# Altium PCB Evaluation Board.PcbDoc (part 15 of 22)
Units mm, origin at the board's own origin, x right, y up, seen from the top; angles counter-clockwise.
Board outline 200 x 200 mm, 4 copper layers (Top Layer, GND, Power, Bottom Layer), stack 1.56 mm thick; 639 components, 758 nets, 3043 pads, 1306 vias.
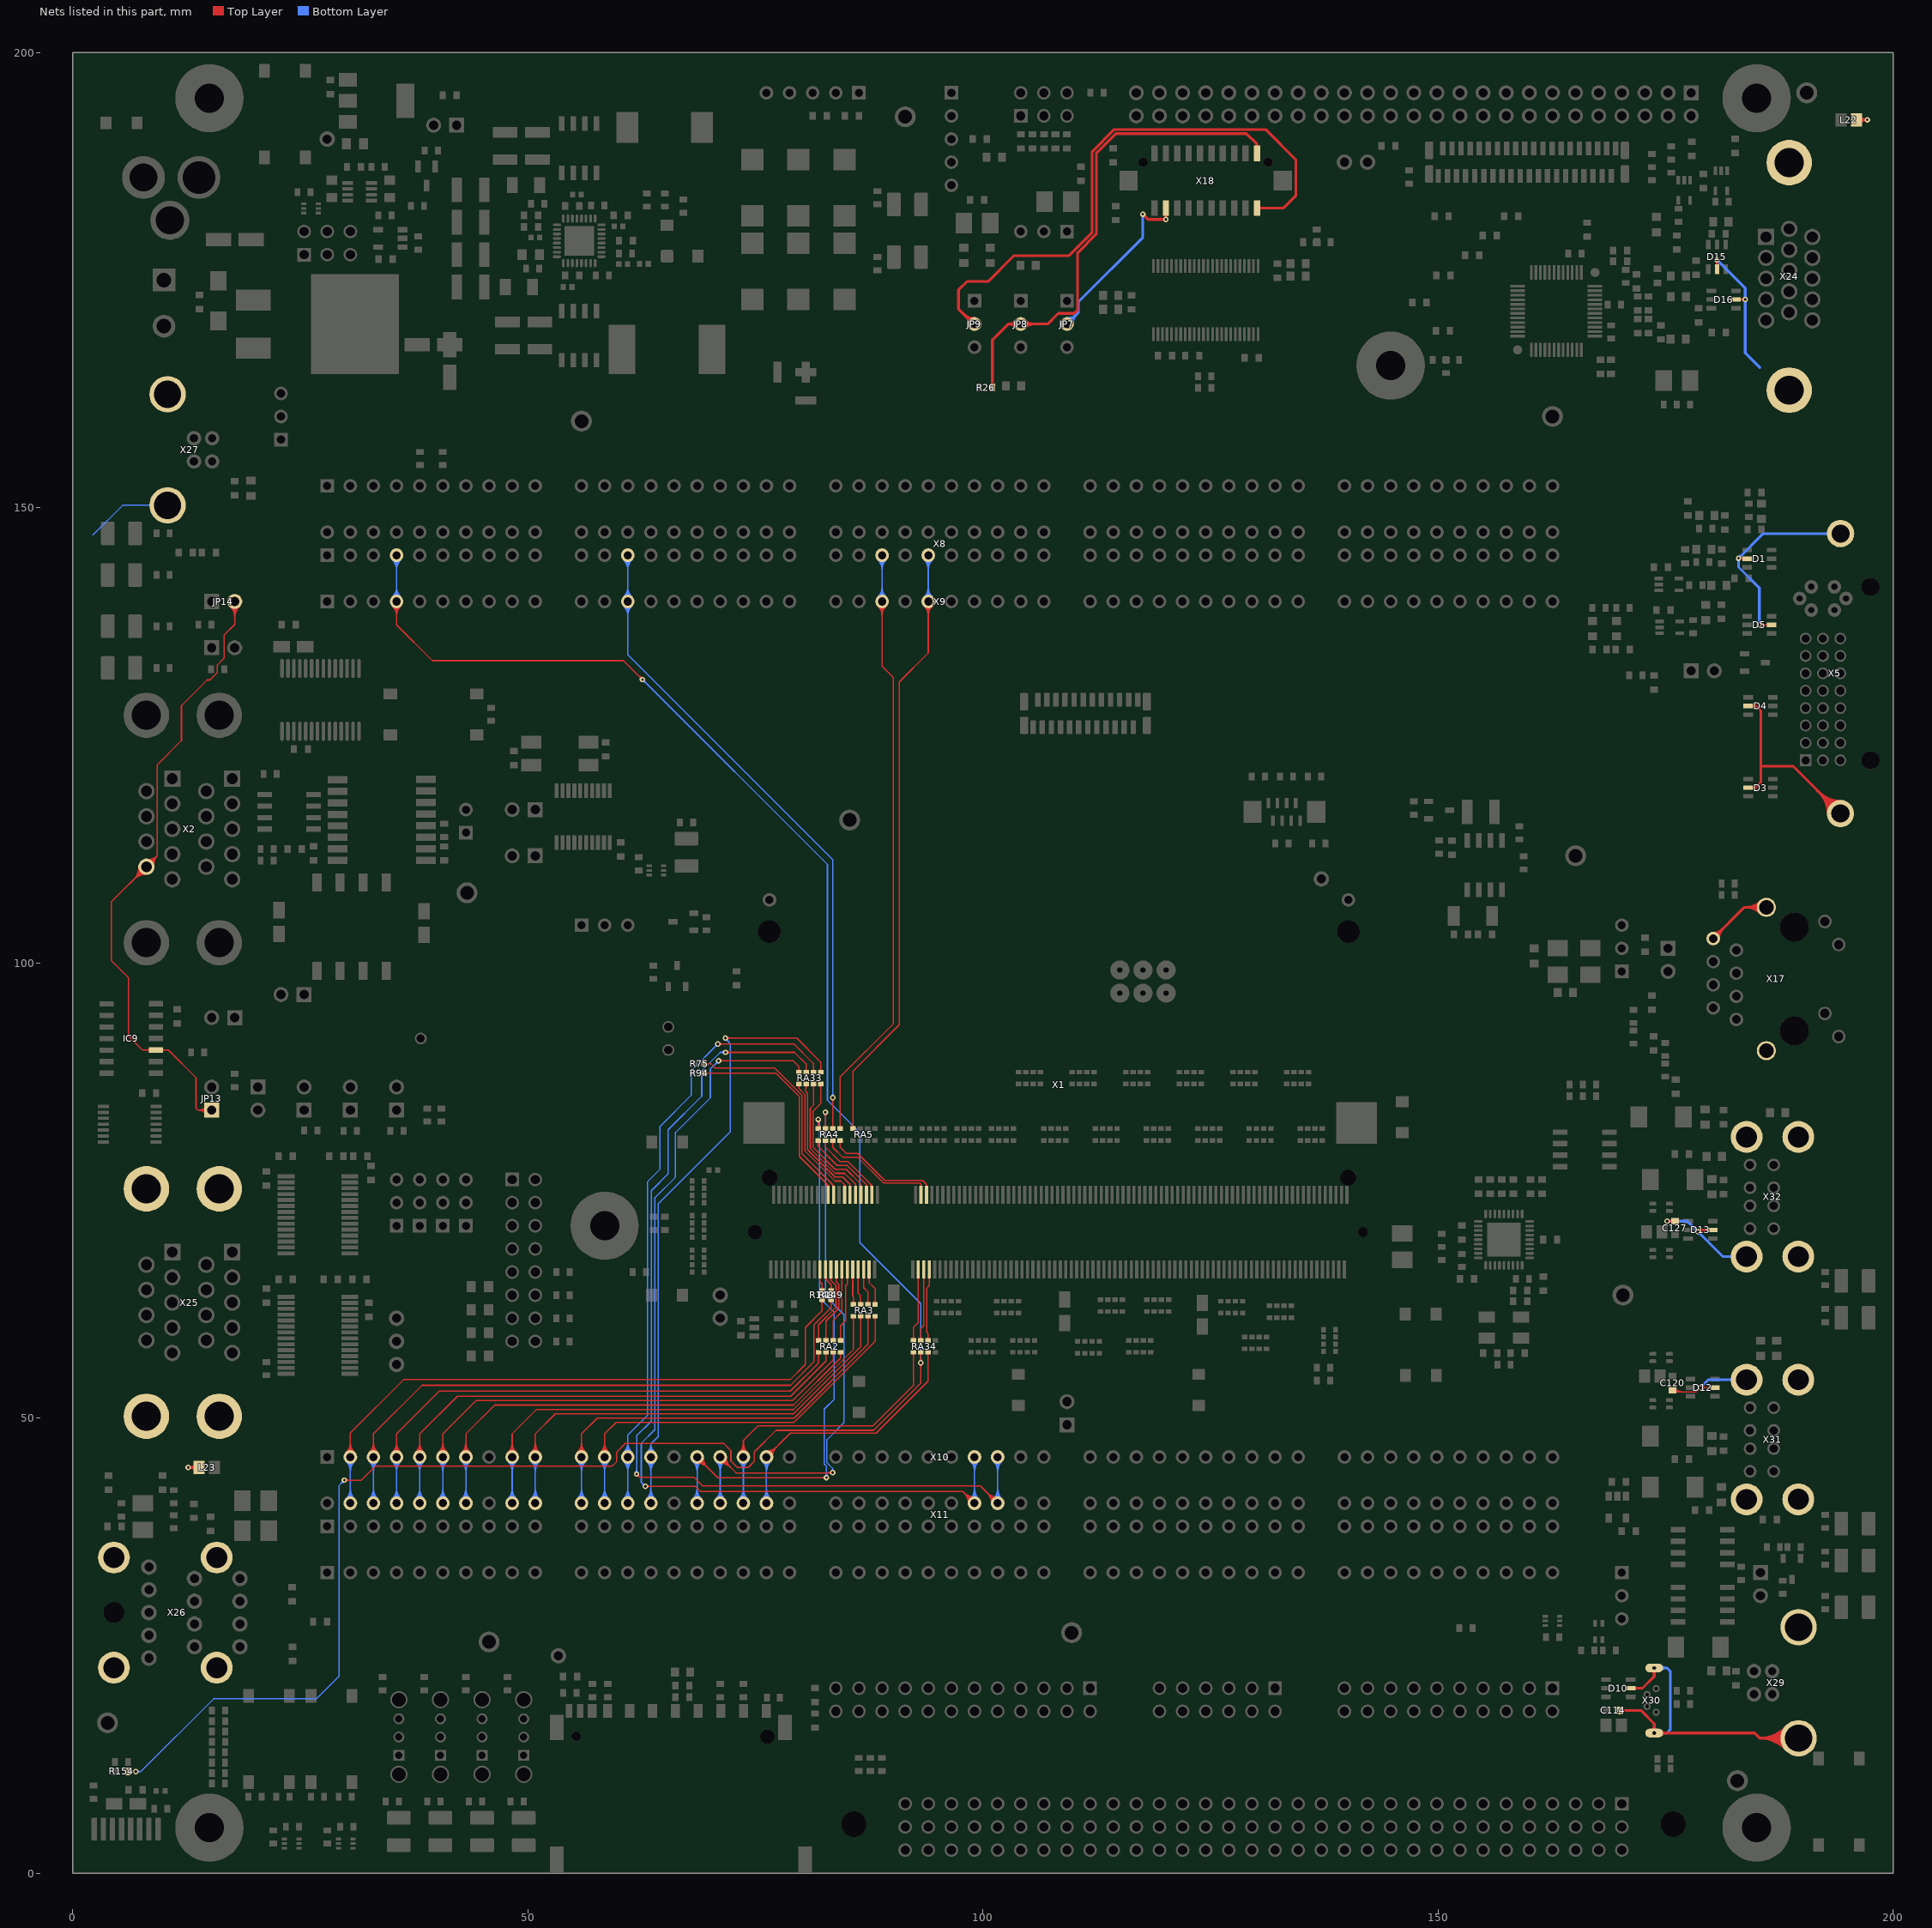
[diagram p17: the nets of this part, all layers, seen from the top]

## Via types
v1: diameter 0.6, hole 0.3, Top Layer to Bottom Layer, 1222 vias
v2: diameter 0.6, hole 0.3, Top Layer to Bottom Layer, tented both sides, 84 vias

## Nets (pads, with @x,y where several pads share a name; then routed paths per layer and width w, separated by ;. In a path a pad name is that pad's centre, name@x,y a point inside that pad or via, vN(x,y) a via of type N, cw(c..) or ccw(c..) an arc to the next point about the centre after c; other vN are vias at no path point) (continued)
RS485_TXD-: IC9.10 JP13.1 JP14.2 X2.L9 | length 97.6
  Top Layer w0.15: X2.L9@7.252,110.556 cw(c5.26,110.556) 6.669,109.148 cw(c8.077,107.74) X2.L9@8.077,109.731 ; X2.L9@7.402,110.556 cw(c5.773,110.556) 6.925,109.404 cw(c8.077,108.252) X2.L9@8.077,109.881 ; X2.L9@7.552,110.556 cw(c6.285,110.556) 7.181,109.66 cw(c8.077,108.764) X2.L9@8.077,110.031 ; X2.L9@7.702,110.556 cw(c6.797,110.556) 7.437,109.916 cw(c8.077,109.276) X2.L9@8.077,110.181 ; X2.L9@8.077,110.687 X2.L9@8.077,110.556 ; X2.L9@8.133,110.5 X2.L9@8.077,110.556 ; X2.L9@8.141,111.077 ccw(c8.243,111.915) 8.839,111.318 ccw(c9.436,110.722) X2.L9@8.598,110.62 ; X2.L9@8.159,111.226 ccw(c8.29,112.304) 9.057,111.536 ccw(c9.825,110.769) X2.L9@8.747,110.638 ; X2.L9@8.177,111.375 ccw(c8.337,112.692) 9.275,111.754 ; IC9.10@8.471,90.27 ccw(c8.087,89.886) 8.087,90.429 ccw(c8.087,90.972) IC9.10@8.471,90.588 ; X2.L9@8.896,110.656 cw(c10.213,110.816) 9.275,111.754 ; IC9.10@9.739,90.27 cw(c10.123,89.886) 10.123,90.429 cw(c10.123,90.972) IC9.10@9.739,90.588 ; JP13.1@14.642,83.367 ccw(c13.73,82.675) 13.73,83.82 ; JP13.1@14.642,84.273 cw(c13.73,84.965) 13.73,83.82 ; JP13.1@14.762,83.457 ccw(c14.032,82.904) 14.032,83.82 ccw(c14.032,84.736) JP13.1@14.762,84.183 ; JP13.1@14.881,83.548 ccw(c14.334,83.133) 14.334,83.82 ccw(c14.334,84.507) JP13.1@14.881,84.092 ; JP13.1@15.24,83.82 13.73,83.82 ; JP14.2@17.25,139.17 cw(c15.969,137.889) 17.78,137.889 cw(c19.591,137.889) JP14.2@18.31,139.17 ; JP14.2@17.356,139.276 cw(c16.331,138.251) 17.78,138.251 cw(c19.229,138.251) JP14.2@18.204,139.276 ; JP14.2@17.462,139.382 cw(c16.694,138.614) 17.78,138.614 cw(c18.866,138.614) JP14.2@18.098,139.382 ; JP14.2@17.78,139.7 17.78,137.17 16.625,136.015 16.625,133.475 15.875,132.725 15.875,131.891 15.059,131.075 14.75,131.075 11.925,128.25 11.925,124.425 9.275,121.775 9.275,111.754 ; X2.L9@8.077,110.556 9.275,111.754 ; X2.L9@8.077,110.556 4.225,106.704 4.225,100.25 6.1,98.375 6.1,91.972 7.643,90.429 IC9.10@9.105,90.429 10.476,90.429 13.525,87.38 13.525,84.025 13.73,83.82
SEL_1: JP7.2 X18.4 | length 24.3
  Top Layer w0.3: v1@117.551,182.095 cw(c117.551,181.733) 117.807,181.989 cw(c118.063,182.245) v1@117.701,182.245 ; v1(117.551,182.245) 118.135,181.661 v1(120.091,181.661) 120.085,181.667 X18.4@120.085,182.928 ; X18.4@119.944,182.287 cw(c119.602,181.945) 120.085,181.945 cw(c120.568,181.945) X18.4@120.226,182.287 ; v1@119.985,181.555 ccw(c119.729,181.299) 119.729,181.661 ccw(c119.729,182.023) v1@119.985,181.767
  Bottom Layer w0.3: JP7.2@109.22,170.18 110.465,171.425 110.465,172.593 117.551,179.68 v1(117.551,182.245) ; JP7.2@109.22,170.78 ccw(c109.22,172.229) 110.244,171.204 ccw(c111.269,170.18) JP7.2@109.82,170.18 ; v1@117.445,182.139 cw(c117.189,181.883) 117.551,181.883 cw(c117.913,181.883) v1@117.657,182.139
SEL_2: JP8.2 R26.2 X18.19 | length 59.9
  Top Layer w0.3: R26.2@100.894,163.424 ccw(c100.601,163.717) 101.016,163.717 ; R26.2@101.016,163.2 101.016,168.427 102.768,170.18 ; 101.016,163.728 ccw(c101.446,163.728) R26.2@101.142,163.424 ; JP8.2@103.699,169.773 ccw(c102.768,168.912) 102.768,170.18 ; JP8.2@103.699,170.587 cw(c102.768,171.448) 102.768,170.18 ; JP8.2@104.564,169.756 cw(c105.589,168.731) 105.589,170.18 cw(c105.589,171.629) JP8.2@104.564,170.604 ; X18.19@129.944,189.569 ccw(c129.602,189.911) 130.085,189.911 ccw(c130.568,189.911) X18.19@130.226,189.569 ; X18.19@130.085,188.928 130.085,189.946 128.931,191.1 114.594,191.1 112.437,188.943 112.437,180.053 110.388,178.005 110.388,171.729 110.007,171.348 108.255,171.348 107.086,170.18 JP8.2@104.14,170.18 102.768,170.18
SEL_3: JP9.2 X18.20 | length 68.1
  Top Layer w0.3: 97.862,171.276 ccw(c99.06,172.474) JP9.2@99.06,170.78 ; 98.108,171.031 cw(c97.257,170.18) JP9.2@98.46,170.18 ; 98.374,170.764 ccw(c99.06,171.45) JP9.2@99.06,170.48 ; JP9.2@99.06,170.18 98.958,170.18 97.307,171.831 97.307,173.939 98.222,174.854 100.554,174.854 103.398,177.698 109.446,177.698 111.987,180.24 111.987,189.13 114.407,191.55 131.025,191.55 134.375,188.2 134.375,184.296 133.007,182.928 X18.20@130.085,182.928 ; X18.20@130.226,182.787 cw(c130.568,182.445) 130.568,182.928 cw(c130.568,183.411) X18.20@130.226,183.069
SHIELD1: L23.1 X25.S1 X25.S2 X25.S3 X25.S4 X26.S1 X26.S2 X26.S3 X26.S4 X27.S1 X27.S2 | length 14.6
  Top Layer w0.3: v1(12.665,44.575) 12.667,44.573 L23.1@13.856,44.573 ; v1@12.771,44.469 cw(c13.022,44.218) 13.022,44.573 ; v1@12.771,44.681 ccw(c13.031,44.942) 13.031,44.573 ; L23.1@13.538,44.255 ccw(c12.77,43.487) 12.77,44.573 ccw(c12.77,45.659) L23.1@13.538,44.891
  Bottom Layer w0.15: 2.175,146.975 5.462,150.262 X27.S2@10.4,150.262 X27.S2@8.837,150.262
SHIELD2: C114.1 C120.1 C127.1 D1.2 D3.2 D4.2 D5.2 D10.2 D12.2 D13.2 D15.2 D16.2 L22.2 X5.X1 X5.X2 X17.8 X17.S1 X17.S2 X24.S1 X24.S2 X29.S1 X29.S2 X30.S1 X30.S2 X31.S1 X31.S2 X31.S3 X31.S4 X32.S1 X32.S2 X32.S3 X32.S4 | length 190.6
  Top Layer w0.14: v1(183,144.452) 183.889,144.452 D1.2@183.941,144.4 ; v1@183.106,144.452 cw(c183.106,143.84) D1.2@183.539,144.273 ; 183.357,144.452 ccw(c183.357,144.709) D1.2@183.539,144.527 ; v1(185.296,137.142) 185.302,137.137 D5.2@186.641,137.137 ; v1@185.459,136.98 cw(c185.837,136.601) 185.837,137.137 ; v1@185.459,137.305 ccw(c185.865,137.712) 185.865,137.137 ; D5.2@186.239,137.009 ccw(c185.931,136.702) 185.931,137.137 ccw(c185.931,137.571) D5.2@186.239,137.264
  Top Layer w0.15: C120.1@175.768,53.06 175.963,52.865 178.338,52.865 v1(178.813,53.34) D12.2@180.42,53.34 ; C120.1@175.825,53.042 ccw(c176.253,53.47) 176.253,52.865 ; C120.1@175.931,53.148 ccw(c176.616,53.833) 176.616,52.865 ; C120.1@176.037,53.254 ccw(c176.978,54.195) 176.978,52.865 ; v1@178.588,53.34 cw(c178.045,53.34) 178.429,52.956 cw(c178.813,52.572) v1@178.813,53.115 ; v1@178.972,53.181 cw(c179.356,52.797) 179.356,53.34 cw(c179.356,53.883) v1@178.972,53.499 ; D12.2@180.021,53.216 ccw(c179.723,52.918) 179.723,53.34 ccw(c179.723,53.762) D12.2@180.021,53.464
  Top Layer w0.3: C114.1@169.99,17.882 172.263,17.882 173.736,16.408 X30.S2@173.736,15.396 184.754,15.396 185.326,14.824 ; D10.2@171.147,20.319 172.444,20.319 173.736,21.611 X30.S1@173.736,22.546 ; X30.S2@173.506,15.626 ccw(c172.951,16.181) 173.736,16.181 ccw(c174.521,16.181) X30.S2@173.966,15.626 ; X30.S1@173.506,22.316 cw(c172.951,21.761) 173.736,21.761 cw(c174.521,21.761) X30.S1@173.966,22.316 ; X30.S2@174.466,15.166 cw(c175.021,14.611) 175.021,15.396 cw(c175.021,16.181) X30.S2@174.466,15.626 ; v1(175.15,71.625) 175.166,71.641 C127.1@176.022,71.641 ; C127.1@175.806,71.5 ccw(c175.464,71.158) 175.464,71.641 ccw(c175.464,72.124) C127.1@175.806,71.782 ; v1(178.525,70.475) 178.713,70.663 D13.2@180.166,70.663 ; v1@178.631,70.369 cw(c179.341,69.659) 179.341,70.663 ; X17.8@180.22,102.672 183.65,106.102 X17.S1@186.06,106.102 ; X17.8@180.22,103.272 ccw(c180.22,104.72) 181.244,103.696 ccw(c182.269,102.672) X17.8@180.82,102.672 ; D15.2@180.639,176.196 v1(180.639,177.225) ; D16.2@182.706,172.876 v1(183.735,172.876) ; D3.2@184.07,119.245 184.877,119.245 185.45,119.818 185.45,121.6 ; D4.2@184.07,128.217 184.926,128.217 185.45,127.693 185.45,121.6 ; X17.S1@185.424,105.465 ccw(c183.887,103.929) 183.887,106.102 ccw(c183.887,108.275) X17.S1@185.424,106.738 ; X17.S1@185.636,105.678 ccw(c184.612,104.653) 184.612,106.102 ccw(c184.612,107.55) X17.S1@185.636,106.526 ; X29.S1@188.251,13.558 ccw(c185.326,10.812) 185.326,14.824 ; X29.S1@188.251,16.09 cw(c185.326,18.836) 185.326,14.824 ; X29.S1@188.47,13.763 ccw(c186.019,11.463) 186.019,14.824 ccw(c186.019,18.185) X29.S1@188.47,15.885 ; X29.S1@188.689,13.969 ccw(c186.712,12.114) 186.712,14.824 ccw(c186.712,17.534) X29.S1@188.689,15.679 ; X29.S1@188.907,14.174 ccw(c187.405,12.764) 187.405,14.824 ccw(c187.405,16.884) X29.S1@188.907,15.474 ; X29.S1@189.6,14.824 185.326,14.824 ; X5.X1@192.84,116.408 ccw(c189.581,116.408) 191.885,118.712 ccw(c194.19,121.017) X5.X1@194.19,117.758 ; X5.X1@193.14,116.408 ccw(c190.605,116.408) 192.398,118.2 ccw(c194.19,119.992) X5.X1@194.19,117.458 ; X5.X1@193.44,116.408 ccw(c191.629,116.408) 192.91,117.688 ccw(c194.19,118.968) X5.X1@194.19,117.158 ; X5.X1@194.19,116.408 188.998,121.6 185.45,121.6 ; L22.2@195.965,192.615 197.155,192.615 v1(197.157,192.613) ; L22.2@196.283,192.297 cw(c197.051,191.528) 197.051,192.615 cw(c197.051,193.701) L22.2@196.283,192.933 ; 196.79,192.615 cw(c196.79,192.246) v1@197.05,192.507 ; 196.799,192.615 ccw(c196.799,192.97) v1@197.05,192.719
  Bottom Layer w0.3: X30.S2@173.736,15.396 175.129,15.396 175.5,15.767 175.5,22.175 175.129,22.546 X30.S1@173.736,22.546 ; X30.S2@174.466,15.166 cw(c175.021,14.611) 175.021,15.396 cw(c175.021,16.181) X30.S2@174.466,15.626 ; X30.S1@174.466,22.316 cw(c175.021,21.761) 175.021,22.546 cw(c175.021,23.331) X30.S1@174.466,22.776 ; v1(175.15,71.625) 177.375,71.625 v1(178.525,70.475) 181.27,67.73 X32.S2@183.89,67.73 ; v1@175.256,71.519 cw(c175.512,71.263) 175.512,71.625 cw(c175.512,71.987) v1@175.256,71.731 ; v1@178.375,70.475 ccw(c178.013,70.475) 178.269,70.731 ccw(c178.525,70.987) v1@178.525,70.625 ; v1@178.525,70.325 cw(c178.525,69.963) 178.781,70.219 ; v1@178.675,70.475 ccw(c179.037,70.475) 178.781,70.219 ; v1(178.813,53.34) 179.679,54.206 X31.S3@183.89,54.206 ; v1@178.813,53.49 ccw(c178.813,53.852) 179.069,53.596 ccw(c179.325,53.34) v1@178.963,53.34 ; v1@180.639,177.075 cw(c180.639,176.713) 180.895,176.969 cw(c181.151,177.225) v1@180.789,177.225 ; v1(180.639,177.225) 183.735,174.129 v1(183.735,172.876) 183.735,167.009 185.344,165.4 ; v1@182.894,144.346 cw(c182.638,144.09) 183,144.09 cw(c183.362,144.09) v1@183.106,144.346 ; v1@183,144.602 ccw(c183,144.964) 183.256,144.708 ccw(c183.512,144.452) v1@183.15,144.452 ; v1@183.629,172.77 cw(c183.373,172.514) 183.735,172.514 cw(c184.097,172.514) v1@183.841,172.77 ; v1@183.629,172.982 ccw(c183.373,173.238) 183.735,173.238 ccw(c184.097,173.238) v1@183.841,172.982 ; v1@185.19,137.249 ccw(c184.934,137.505) 185.296,137.505 ccw(c185.658,137.505) v1@185.402,137.249 ; v1(185.296,137.142) 185.296,141.179 183,143.475 v1(183,144.452) 185.706,147.158 X5.X2@194.215,147.158
SODIMM_19: R148.2 X10.2 X11.B2 | length 87.4
  Top Layer w0.15: X10.2@30.003,46.197 ccw(c28.85,47.35) 30.48,47.35 ccw(c32.11,47.35) X10.2@30.957,46.197 ; X10.2@30.109,46.091 ccw(c29.213,46.987) 30.48,46.987 ccw(c31.747,46.987) X10.2@30.851,46.091 ; X10.2@30.215,45.985 ccw(c29.575,46.625) 30.48,46.625 ccw(c31.385,46.625) X10.2@30.745,45.985 ; X10.2@30.48,45.72 30.48,48.362 36.335,54.217 78.792,54.217 80.467,55.892 80.467,59.944 82.296,61.773 R148.2@82.296,63.02 ; R148.2@82.148,62.871 cw(c81.789,62.513) 82.296,62.513 cw(c82.803,62.513) R148.2@82.444,62.871
  Bottom Layer w0.15: X11.B2@30.003,41.117 ccw(c28.85,42.27) 30.48,42.27 ccw(c32.11,42.27) X11.B2@30.957,41.117 ; X10.2@30.003,45.243 cw(c28.85,44.09) 30.48,44.09 cw(c32.11,44.09) X10.2@30.957,45.243 ; X11.B2@30.109,41.011 ccw(c29.213,41.907) 30.48,41.907 ccw(c31.747,41.907) X11.B2@30.851,41.011 ; X10.2@30.109,45.349 cw(c29.213,44.453) 30.48,44.453 cw(c31.747,44.453) X10.2@30.851,45.349 ; X11.B2@30.215,40.905 ccw(c29.575,41.545) 30.48,41.545 ccw(c31.385,41.545) X11.B2@30.745,40.905 ; X10.2@30.215,45.455 cw(c29.575,44.815) 30.48,44.815 cw(c31.385,44.815) X10.2@30.745,45.455 ; X11.B2@30.48,40.64 X10.2@30.48,45.72
SODIMM_19_S: R148.1 X1.19 | length 3.6
  Top Layer w0.15: X1.19@82.011,65.421 cw(c81.841,65.25) 82.082,65.25 cw(c82.323,65.25) X1.19@82.153,65.421 ; X1.19@82.082,66.316 82.082,64.984 82.321,64.745 82.321,64.005 R148.1@82.296,63.98 ; R148.1@82.173,64.129 ccw(c81.813,64.488) 82.321,64.488 ; 82.321,64.486 ccw(c82.827,64.486) R148.1@82.469,64.129
SODIMM_21: R149.2 X10.3 X11.B3 | length 85.6
  Top Layer w0.15: X10.3@32.543,46.197 ccw(c31.39,47.35) 33.02,47.35 ccw(c34.65,47.35) X10.3@33.497,46.197 ; X10.3@32.649,46.091 ccw(c31.753,46.987) 33.02,46.987 ccw(c34.287,46.987) X10.3@33.391,46.091 ; X10.3@32.755,45.985 ccw(c32.115,46.625) 33.02,46.625 ccw(c33.925,46.625) X10.3@33.285,45.985 ; X10.3@33.02,45.72 33.02,48.26 38.354,53.594 78.844,53.594 81.403,56.153 81.403,60.219 83.312,62.128 R149.2@83.312,63.02 ; R149.2@83.164,62.871 cw(c82.805,62.513) 83.312,62.513 cw(c83.819,62.513) R149.2@83.46,62.871
  Bottom Layer w0.15: X11.B3@32.543,41.117 ccw(c31.39,42.27) 33.02,42.27 ccw(c34.65,42.27) X11.B3@33.497,41.117 ; X10.3@32.543,45.243 cw(c31.39,44.09) 33.02,44.09 cw(c34.65,44.09) X10.3@33.497,45.243 ; X11.B3@32.649,41.011 ccw(c31.753,41.907) 33.02,41.907 ccw(c34.287,41.907) X11.B3@33.391,41.011 ; X10.3@32.649,45.349 cw(c31.753,44.453) 33.02,44.453 cw(c34.287,44.453) X10.3@33.391,45.349 ; X11.B3@32.755,40.905 ccw(c32.115,41.545) 33.02,41.545 ccw(c33.925,41.545) X11.B3@33.285,40.905 ; X10.3@32.755,45.455 cw(c32.115,44.815) 33.02,44.815 cw(c33.925,44.815) X10.3@33.285,45.455 ; X11.B3@33.02,40.64 X10.3@33.02,45.72
SODIMM_21_S: R149.1 X1.21 | length 4.6
  Top Layer w0.15: X1.21@82.617,65.416 cw(c82.493,65.273) 82.682,65.273 ; X1.21@82.632,65.491 ccw(c83.039,65.491) 82.751,65.204 ; X1.21@82.682,66.316 82.682,65.273 ; X1.21@82.747,65.416 ccw(c82.871,65.273) 82.682,65.273 ; X1.21@82.782,65.491 ccw(c83.551,65.491) 83.007,64.948 ; R149.1@83.164,64.129 ccw(c82.805,64.487) 83.312,64.487 ccw(c83.819,64.487) R149.1@83.46,64.129 ; R149.1@83.312,63.98 83.312,64.643 82.682,65.273
SODIMM_22: R94.1 X1.22 | length 25.8
  Top Layer w0.15: R94.1@69.314,87.884 77.237,87.884 79.813,85.308 79.813,78.737 82.982,75.568 ; R94.1@69.462,87.736 cw(c69.821,87.377) 69.821,87.884 cw(c69.821,88.391) R94.1@69.462,88.032 ; 82.651,75.899 cw(c82.094,75.342) X1.22@82.882,75.342 ; 82.907,75.643 cw(c82.606,75.342) X1.22@83.032,75.342 ; X1.22@82.915,75.415 ccw(c82.776,75.568) 82.982,75.568 ; X1.22@82.982,74.516 82.982,75.568 ; X1.22@83.049,75.415 cw(c83.189,75.568) 82.982,75.568
SODIMM_23: RA2.8 X10.4 X11.B4 | length 77
  Top Layer w0.15: X10.4@35.083,46.197 ccw(c33.93,47.35) 35.56,47.35 ccw(c37.19,47.35) X10.4@36.037,46.197 ; X10.4@35.189,46.091 ccw(c34.293,46.987) 35.56,46.987 ccw(c36.827,46.987) X10.4@35.931,46.091 ; X10.4@35.295,45.985 ccw(c34.655,46.625) 35.56,46.625 ccw(c36.465,46.625) X10.4@35.825,45.985 ; X10.4@35.56,45.72 35.56,48.26 40.259,52.959 78.834,52.959 81.928,56.053 RA2.8@81.928,57.222 ; RA2.8@81.804,57.098 cw(c81.506,56.799) 81.928,56.799 cw(c82.35,56.799) RA2.8@82.052,57.098
  Bottom Layer w0.15: X11.B4@35.083,41.117 ccw(c33.93,42.27) 35.56,42.27 ccw(c37.19,42.27) X11.B4@36.037,41.117 ; X10.4@35.083,45.243 cw(c33.93,44.09) 35.56,44.09 cw(c37.19,44.09) X10.4@36.037,45.243 ; X11.B4@35.189,41.011 ccw(c34.293,41.907) 35.56,41.907 ccw(c36.827,41.907) X11.B4@35.931,41.011 ; X10.4@35.189,45.349 cw(c34.293,44.453) 35.56,44.453 cw(c36.827,44.453) X10.4@35.931,45.349 ; X11.B4@35.295,40.905 ccw(c34.655,41.545) 35.56,41.545 ccw(c36.465,41.545) X11.B4@35.825,40.905 ; X10.4@35.295,45.455 cw(c34.655,44.815) 35.56,44.815 cw(c36.465,44.815) X10.4@35.825,45.455 ; X11.B4@35.56,40.64 X10.4@35.56,45.72
SODIMM_23_S: RA2.4 X1.23 | length 9.9
  Top Layer w0.15: RA2.4@81.804,58.645 ccw(c81.506,58.944) 81.928,58.944 ccw(c82.35,58.944) RA2.4@82.052,58.645 ; RA2.4@81.928,58.522 81.928,60.254 83.847,62.173 83.847,64.547 83.282,65.112 X1.23@83.282,66.316 ; X1.23@83.211,65.421 cw(c83.041,65.25) 83.282,65.25 cw(c83.523,65.25) X1.23@83.353,65.421
SODIMM_24: R75.1 X1.24 | length 26.5
  Top Layer w0.15: R75.1@69.314,88.9 70.125,88.9 70.575,88.45 77.095,88.45 80.113,85.432 80.113,79.012 83.582,75.543 ; R75.1@69.462,88.752 cw(c69.821,88.393) 69.821,88.9 cw(c69.821,89.407) R75.1@69.462,89.048 ; 83.269,75.856 cw(c82.754,75.342) X1.24@83.482,75.342 ; X1.24@83.522,75.421 ccw(c83.429,75.543) 83.582,75.543 ; 83.525,75.6 cw(c83.266,75.342) X1.24@83.632,75.342 ; X1.24@83.582,74.516 83.582,75.543 ; X1.24@83.642,75.421 cw(c83.735,75.543) 83.582,75.543
SODIMM_25: RA2.7 X10.5 X11.B5 | length 75.1
  Top Layer w0.15: X10.5@37.623,46.197 ccw(c36.47,47.35) 38.1,47.35 ccw(c39.73,47.35) X10.5@38.577,46.197 ; X10.5@37.729,46.091 ccw(c36.833,46.987) 38.1,46.987 ccw(c39.367,46.987) X10.5@38.471,46.091 ; X10.5@37.835,45.985 ccw(c37.195,46.625) 38.1,46.625 ccw(c39.005,46.625) X10.5@38.365,45.985 ; X10.5@38.1,45.72 38.1,48.26 42.24,52.4 78.875,52.4 82.728,56.253 RA2.7@82.728,57.222 ; RA2.7@82.604,57.098 cw(c82.306,56.799) 82.728,56.799 cw(c83.15,56.799) RA2.7@82.852,57.098
  Bottom Layer w0.15: X11.B5@37.623,41.117 ccw(c36.47,42.27) 38.1,42.27 ccw(c39.73,42.27) X11.B5@38.577,41.117 ; X10.5@37.623,45.243 cw(c36.47,44.09) 38.1,44.09 cw(c39.73,44.09) X10.5@38.577,45.243 ; X11.B5@37.729,41.011 ccw(c36.833,41.907) 38.1,41.907 ccw(c39.367,41.907) X11.B5@38.471,41.011 ; X10.5@37.729,45.349 cw(c36.833,44.453) 38.1,44.453 cw(c39.367,44.453) X10.5@38.471,45.349 ; X11.B5@37.835,40.905 ccw(c37.195,41.545) 38.1,41.545 ccw(c39.005,41.545) X11.B5@38.365,40.905 ; X10.5@37.835,45.455 cw(c37.195,44.815) 38.1,44.815 cw(c39.005,44.815) X10.5@38.365,45.455 ; X11.B5@38.1,40.64 X10.5@38.1,45.72
SODIMM_25_S: RA2.3 X1.25 | length 9.5
  Top Layer w0.15: RA2.3@82.604,58.645 ccw(c82.306,58.944) 82.728,58.944 ccw(c83.15,58.944) RA2.3@82.852,58.645 ; RA2.3@82.728,58.522 82.728,60.63 84.147,62.049 84.147,64.672 83.882,64.937 X1.25@83.882,66.316 ; X1.25@83.811,65.421 cw(c83.641,65.25) 83.882,65.25 cw(c84.123,65.25) X1.25@83.953,65.421
SODIMM_27: RA2.6 X10.6 X11.B6 | length 73.3
  Top Layer w0.15: X10.6@40.163,46.197 ccw(c39.01,47.35) 40.64,47.35 ccw(c42.27,47.35) X10.6@41.117,46.197 ; X10.6@40.269,46.091 ccw(c39.373,46.987) 40.64,46.987 ccw(c41.907,46.987) X10.6@41.011,46.091 ; X10.6@40.375,45.985 ccw(c39.735,46.625) 40.64,46.625 ccw(c41.545,46.625) X10.6@40.905,45.985 ; X10.6@40.64,45.72 40.64,48.26 44.305,51.925 79.075,51.925 83.528,56.378 RA2.6@83.528,57.222 ; RA2.6@83.404,57.098 cw(c83.106,56.799) 83.528,56.799 cw(c83.95,56.799) RA2.6@83.652,57.098
  Bottom Layer w0.15: X11.B6@40.163,41.117 ccw(c39.01,42.27) 40.64,42.27 ccw(c42.27,42.27) X11.B6@41.117,41.117 ; X10.6@40.163,45.243 cw(c39.01,44.09) 40.64,44.09 cw(c42.27,44.09) X10.6@41.117,45.243 ; X11.B6@40.269,41.011 ccw(c39.373,41.907) 40.64,41.907 ccw(c41.907,41.907) X11.B6@41.011,41.011 ; X10.6@40.269,45.349 cw(c39.373,44.453) 40.64,44.453 cw(c41.907,44.453) X10.6@41.011,45.349 ; X11.B6@40.375,40.905 ccw(c39.735,41.545) 40.64,41.545 ccw(c41.545,41.545) X11.B6@40.905,40.905 ; X10.6@40.375,45.455 cw(c39.735,44.815) 40.64,44.815 cw(c41.545,44.815) X10.6@40.905,45.455 ; X11.B6@40.64,40.64 X10.6@40.64,45.72
SODIMM_27_S: RA2.2 X1.27 | length 9.2
  Top Layer w0.15: RA2.2@83.404,58.645 ccw(c83.106,58.944) 83.528,58.944 ccw(c83.95,58.944) RA2.2@83.652,58.645 ; RA2.2@83.528,58.522 83.528,60.719 84.482,61.673 X1.27@84.482,66.316 ; X1.27@84.411,65.421 cw(c84.241,65.25) 84.482,65.25 cw(c84.723,65.25) X1.27@84.553,65.421
SODIMM_28: RA33.5 X10.27 X11.B27 | length 124.2
  Top Layer w0.15: v1(62.89,42.494) 68.38,42.494 68.941,41.933 97.767,41.933 X11.B27@99.06,40.64 ; v1@63.049,42.335 cw(c63.434,41.951) 63.434,42.494 cw(c63.434,43.037) v1@63.049,42.653 ; v1(70.942,89.256) 79.121,89.256 79.756,88.621 RA33.5@79.756,87.99 ; v1@71.101,89.097 cw(c71.485,88.712) 71.485,89.256 cw(c71.485,89.799) v1@71.101,89.415 ; RA33.5@79.632,88.114 ccw(c79.334,88.413) 79.756,88.413 ccw(c80.178,88.413) RA33.5@79.88,88.114 ; X11.B27@98.385,40.64 ccw(c96.755,40.64) 97.908,41.792 ccw(c99.06,42.945) X11.B27@99.06,41.315 ; X11.B27@98.535,40.64 ccw(c97.268,40.64) 98.164,41.536 ccw(c99.06,42.432) X11.B27@99.06,41.165 ; X11.B27@98.685,40.64 ccw(c97.78,40.64) 98.42,41.28 ccw(c99.06,41.92) X11.B27@99.06,41.015
  Bottom Layer w0.15: v1@62.665,42.494 ccw(c62.122,42.494) 62.506,42.878 ccw(c62.89,43.262) v1@62.89,42.719 ; v1(62.89,42.494) 62.45,42.934 62.45,47.225 63.932,48.707 63.932,74.182 66.209,76.459 66.209,81.352 70.036,85.179 70.036,88.35 v1(70.942,89.256) ; v1@70.717,89.256 cw(c70.174,89.256) 70.558,88.872 cw(c70.942,88.487) v1@70.942,89.031 ; X11.B27@98.583,41.117 ccw(c97.43,42.27) 99.06,42.27 ccw(c100.69,42.27) X11.B27@99.537,41.117 ; X10.27@98.583,45.243 cw(c97.43,44.09) 99.06,44.09 cw(c100.69,44.09) X10.27@99.537,45.243 ; X11.B27@98.689,41.011 ccw(c97.793,41.907) 99.06,41.907 ccw(c100.327,41.907) X11.B27@99.431,41.011 ; X10.27@98.689,45.349 cw(c97.793,44.453) 99.06,44.453 cw(c100.327,44.453) X10.27@99.431,45.349 ; X11.B27@98.795,40.905 ccw(c98.155,41.545) 99.06,41.545 ccw(c99.965,41.545) X11.B27@99.325,40.905 ; X10.27@98.795,45.455 cw(c98.155,44.815) 99.06,44.815 cw(c99.965,44.815) X10.27@99.325,45.455 ; X11.B27@99.06,40.64 X10.27@99.06,45.72